# Altium PCB HORNET-1-IPG.PcbDoc (part 3 of 8) (continued)
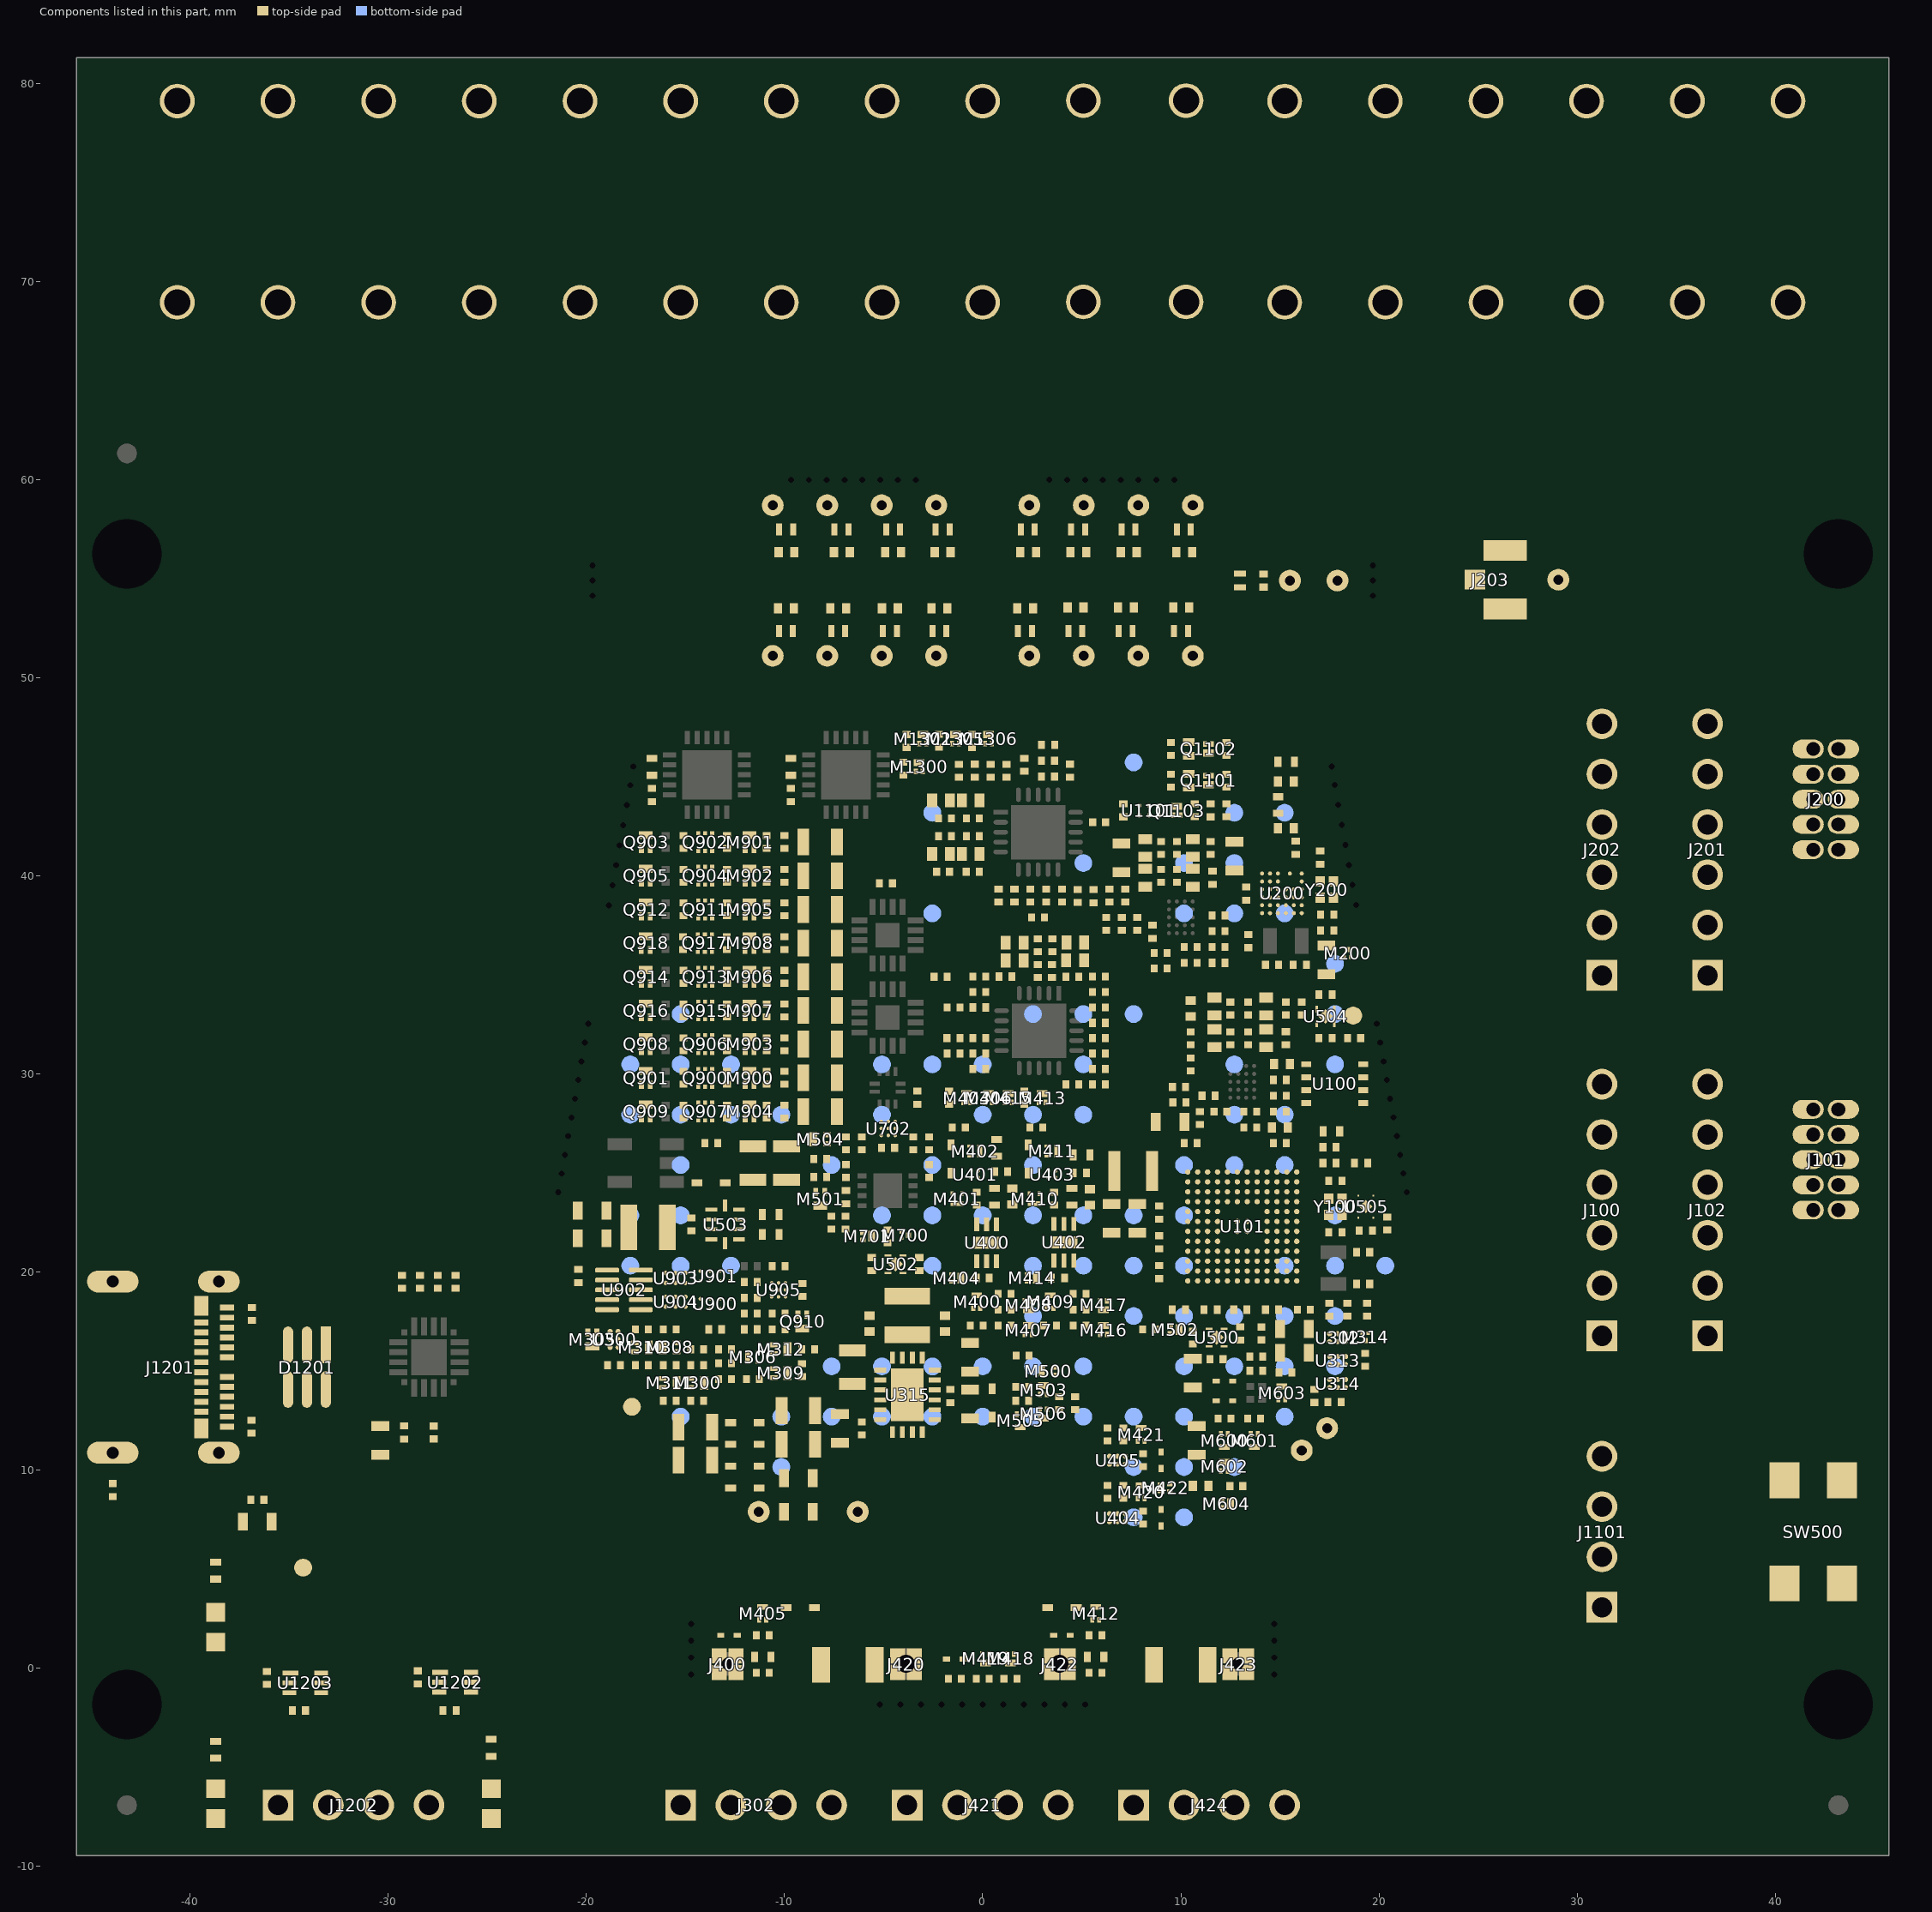
[diagram p9: the components of this part, seen from the top]
## Part data (continued)
C315 C316: "Capacitor, 0.022uF, X7R, 50V, 10%, 0402, Implant-grade", Manufacturer=Murata, Manufacturer Part Number=GCM155R71H223KA55, Medical Grade MFR PN=GCH155R71H223KE01, Package Description=0402, Rating=50V, Category=Capacitor, Length (mm)="1.00 ±0.05", Medical Grade MFR=Murata, PCB Footprint=cap0402_reduced, Review=020823, Status=Approved, Supplier 1="Arrow Electronics", Supplier Part Number 1=GCM155R71H223KA55D, Thickness (mm)="0.50 ±0.05", Width (mm)="0.50 ±0.05"
C417 C422: "Capacitor, 0.1uF, X7R, 16V, 10%, 0402, Implant-grade", Manufacturer=Murata, Medical Grade MFR PN=GCH155R71C104KE01, Package Description=0402, Rating=16V, Supplier Part Number 1=GCM155R71C104KA55J, Category=Capacitor, Length (mm)="1.00 ±0.05", Manufacturer Part Number=GCM155R71C104KA55, Medical Grade MFR=Murata, PCB Footprint=cap0402_reduced, Supplier 1="Arrow Electronics", Thickness (mm)="0.50 ±0.05", Width (mm)="0.50 ±0.05"
C419 C423: "Ceramic Capacitor, Multilayer, Ceramic, 25V, 10% +Tol, 10% -Tol, X7R, 15% TC, 0.00047uF, Surface Mount, 0201", Capacitor Type=Ceramic, Case/Package=0201, Manufacturer=Murata, Max Operating Temperature=125°C, Min Operating Temperature=-55°C, Package Shape=Rectangular, Package Style=SMTMeter, Rated DC Voltage (URdc)=25V, Supplier Part Number=490-17744-1-ND, Temperature Characteristics Code=X7R, Tolerance  (fill in as +-)=10%, Category="Ceramic Capacitors", ComponentLink1Description=https://psearch.en.murata.com:443/capacitor/product/GCM033R71E471KA03%23.pdf?src-supplier=IHS+Markit, ComponentLink1URL=https://psearch.en.murata.com:443/capacitor/product/GCM033R71E471KA03%23.pdf?src-supplier=IHS+Markit, ComponentLink2Description=https://datasheet.ciiva.com/11604/product-11604532.pdf?src-supplier=Avnet, ComponentLink2URL=https://datasheet.ciiva.com/11604/product-11604532.pdf?src-supplier=Avnet, ComponentLink3Description=https://datasheet.ciiva.com/163/s0717e-163390.pdf?src-supplier=Digikey, ComponentLink3URL=https://datasheet.ciiva.com/163/s0717e-163390.pdf?src-supplier=Digikey, Dielectric Material=Ceramic, Height=0.33mm, JESD-609 Code=e3, Length=0.6mm, Manufacturer Part Number=GCM033R71E471KA03D, Mounting Technology="Surface Mount", Multilayer=Yes, Packaging="Tape and Reel", Pins=2, Pricing="1=0,1, 10=0,028, 50=0,016, 100=0,0125, 500=0,00938, 1000=0,00736, 2500=0,0067, 5000=0,00616 (USD)", Reach SVHC Compliant=Yes, Reference Standard=AEC-Q200, RoHS=Yes, RoHS Compliant=Yes, Stock=21174, Supplier=Digikey, Supplier 1="Arrow Electronics", Supplier Part Number 1=GCM033R71E471KA03D, Terminal Finish=Nickel, Termination=Wraparound, Tolerance (fill in as +-)=10%, Width=0.3mm
C601: "Capacitor, 10uf, X5R, 10V, 20%, 0402, Implant-grade", Manufacturer=Murata, Medical Grade MFR=TBD, Package Description=0402, Rating=10V, Category=Capacitor, Length (mm)="1.00 ±0.22", Manufacturer Part Number=ZRB15XR61A106ME01D, Medical Grade MFR PN=TBD, PCB Footprint=cap0402_reduced, Supplier 1="Arrow Electronics", Supplier Part Number 1=ZRB15XR61A106ME01D, Thickness (mm)="0.65 ±0.2", Width (mm)="0.50 ±0.2"
C802 C804: "Capacitor, 0.33uF, X7S, 16V, 10%, 0402", Manufacturer=TDK, Medical Grade MFR=TBD, Package Description=0402, Rating=16V, Category=Capacitor, Length (mm)="1.00 ±0.05", Manufacturer Part Number=CGA2B1X7S1C334K050BC, Medical Grade MFR PN=TBD, PCB Footprint=cap0402_reduced, Review=020823, Status=Approved, Supplier 1="Arrow Electronics", Supplier Part Number 1=CGA2B1X7S1C334K050BC, Thickness (mm)="0.50 ±0.05", Width (mm)="0.50 ±0.05"
C803 C805 C810 C814 C823: "Ceramic Capacitor, Multilayer, Ceramic, 25V, 10% +Tol, 10% -Tol, X7R, 15% TC, 0.001uF, Surface Mount, 0201", Capacitor Type=Ceramic, Case/Package=0201, Manufacturer=Murata, Max Operating Temperature=125°C, Min Operating Temperature=-55°C, Package Shape=Rectangular, Package Style=SMTMeter, Rated DC Voltage (URdc)=25V, Supplier Part Number=490-8161-1-ND, Temperature Characteristics Code=X7R, Tolerance  (fill in as +-)=10%, Category="Ceramic Capacitors", ComponentLink1Description=https://psearch.en.murata.com:443/capacitor/product/GRM033R71E102KA01%23.pdf?src-supplier=IHS+Markit, ComponentLink1URL=https://psearch.en.murata.com:443/capacitor/product/GRM033R71E102KA01%23.pdf?src-supplier=IHS+Markit, ComponentLink2Description=https://datasheet.ciiva.com/5453/product-5453157.pdf?src-supplier=Mouser, ComponentLink2URL=https://datasheet.ciiva.com/5453/product-5453157.pdf?src-supplier=Mouser, ComponentLink3Description=https://datasheet.ciiva.com/11621/product-11621675.pdf?src-supplier=Avnet, ComponentLink3URL=https://datasheet.ciiva.com/11621/product-11621675.pdf?src-supplier=Avnet, Dielectric Material=Ceramic, Height=0.3mm, JESD-609 Code=e3, Length=0.6mm, Manufacturer Part Number=GRM033R71E102KA01J, Mounting Technology="Surface Mount", Multilayer=Yes, Packaging="Tape and Reel", Pins=2, Pricing="1=0,1, 10=0,01, 50=0,0056, 100=0,0044, 500=0,00328, 1000=0,00258, 2500=0,00234, 5000=0,00216 (USD)", Reach SVHC Compliant=Yes, RoHS=Yes, RoHS Compliant=Yes, Stock=136185, Supplier=Digikey, Supplier 1="Arrow Electronics", Supplier Part Number 1=GRM033R71E102KA01J, Terminal Finish=Nickel, Termination=Wraparound, Tolerance (fill in as +-)=10%, Width=0.3mm
C806: "Capacitor, 1500pF, X7R, 50V, 10%, 0402", Manufacturer=Murata, Medical Grade MFR=TBD, Package Description=0402, Rating=50V, Category=Capacitor, Length (mm)="1.00 ±0.05", Manufacturer Part Number=GCM155R71H152KA37D, Medical Grade MFR PN=TBD, PCB Footprint=cap0402_reduced, Review=020823, Status=Approved, Supplier 1="Arrow Electronics", Supplier Part Number 1=GCM155R71H152KA37D, Thickness (mm)="0.50 ±0.05", Width (mm)="0.50 ±0.05"
C809 C827: "Ceramic Capacitor, Multilayer, Ceramic, 6.3V, 20% +Tol, 20% -Tol, X5R, 15% TC, 1.5uF, Surface Mount, 0201", Capacitor Type=Ceramic, Case/Package=0201, Manufacturer=Murata, Max Operating Temperature=85°C, Min Operating Temperature=-55°C, Package Shape=Rectangular, Rated DC Voltage (URdc)=6.3V, Supplier Part Number=490-13223-1-ND, Temperature Characteristics Code=X5R, Tolerance  (fill in as +-)=20%, Category="Ceramic Capacitors", ComponentLink1Description=https://psearch.en.murata.com:443/capacitor/product/GRM033R60J155ME14%23.pdf?src-supplier=IHS+Markit, ComponentLink1URL=https://psearch.en.murata.com:443/capacitor/product/GRM033R60J155ME14%23.pdf?src-supplier=IHS+Markit, ComponentLink2Description=http://search.murata.co.jp/Ceramy/image/img/A01X/G101/ENG/GRM033R60J155ME14-01.pdf?src-supplier=Digikey, ComponentLink2URL=http://search.murata.co.jp/Ceramy/image/img/A01X/G101/ENG/GRM033R60J155ME14-01.pdf?src-supplier=Digikey, ComponentLink3Description=http://search.murata.co.jp/Ceramy/image/img/A01X/partnumbering_e_01.pdf?src-supplier=Digikey, ComponentLink3URL=http://search.murata.co.jp/Ceramy/image/img/A01X/partnumbering_e_01.pdf?src-supplier=Digikey, Dielectric Material=Ceramic, Manufacturer Part Number=GRM033R60J155ME14D, Mounting Technology="Surface Mount", Multilayer=Yes, Packaging="Tape and Reel", Pins=2, Pricing="1=0,2, 10=0,131, 50=0,083, 100=0,0664, 500=0,04794, 1000=0,04241, 2500=0,04056, 5000=0,03687 (USD)", Reach SVHC Compliant=Yes, RoHS=Yes, RoHS Compliant=Yes, Stock=47845, Supplier=Digikey, Supplier 1="Arrow Electronics", Supplier Part Number 1=GRM033R60J155ME14D, Termination=Wraparound, Tolerance (fill in as +-)=20%
C811 C812 C824 C825: "Capacitor, 470nF, X5R, 6.3V, 10%, 0201, Implant Grade", Manufacturer=Murata, Medical Grade MFR=TBD, Package Description=0201, Rating=6.3V, Supplier Part Number 1=81-GRT033R60J474KE1D, Category=Capacitor, Length (mm)=0.6mm, Manufacturer Part Number=GRT033R60J474KE01D, Medical Grade MFR PN=TBD, Supplier 1=Mouser, Supplier 2=Digikey, Supplier 3=Digikey, Supplier 4=Digikey, Supplier Part Number 2=490-GRT033R60J474KE01DCT-ND, Supplier Part Number 3=490-GRT033R60J474KE01DDKR-ND, Supplier Part Number 4=490-GRT033R60J474KE01DTR-ND, Thickness (mm)=0.33mm, Width (mm)=0.3mm
C813 C828: "68 pF ±5% 50V Ceramic Capacitor C0G, NP0 0201 (0603 Metric)", Capacitor Type=Ceramic, Case/Package=0201, Manufacturer="Murata Electronics", Max Operating Temperature=125°C, Min Operating Temperature=-55°C, Package Shape=Rectangular, Package Style=SMTMeter, Rated DC Voltage (URdc)=50V, Supplier Part Number=490-6132-2-ND, Supplier Part Number 1=81-GRM0335C1H680JA1D, Temperature Characteristics Code="C0G, NP0", Tolerance=±5%, Category="Ceramic Capacitors", Dielectric Material=Ceramic, Height=0.33mm, JESD-609 Code=e3, Length=0.6mm, Manufacturer Part Number=GRM0335C1H680JA01D, Mounting Technology="Surface Mount", Multilayer=Yes, Packaging="Tape and Reel", Pins=2, Pricing="1=0,1, 10=0,028, 50=0,016, 100=0,0125, 500=0,00938, 1000=0,00736, 2500=0,0067, 5000=0,00616 (USD)", Reach SVHC Compliant=Yes, Reference Standard=AEC-Q200, RoHS=Yes, RoHS Compliant=Yes, Stock=78539, Supplier=Digikey, Supplier 1=Mouser, Terminal Finish=Nickel, Termination=Wraparound, Width=0.3mm
C817 C818: "Capacitor, 2.2uF, X7R, 16V, 10%, 0603, Implant-grade", Manufacturer=Murata, Medical Grade MFR=TBD, Package Description=0603, Rating=16V, Supplier Part Number 1=490-GRM188Z71C225ME43JCT-ND, Category=Capacitor, Length (mm)="1.60 ±0.10", Manufacturer Part Number=GRM188Z71C225ME43J, Medical Grade MFR PN=TBD, PCB Footprint=cap0603_reduced, Review=020823, Status=Approved, Supplier 1=Digi-Key, Thickness (mm)="0.80 ±0.10", Width (mm)="0.80 ±0.10"
C826 C829: "270 pF ±5% 25V Ceramic Capacitor C0G, NP0 0201 (0603 Metric)", Capacitor Type=Ceramic, Case/Package=0201, Manufacturer="Murata Electronics", Max Operating Temperature=125°C, Min Operating Temperature=-55°C, Package Shape=Rectangular, Package Style=SMTMeter, Rated DC Voltage (URdc)=25V, Supplier Part Number=490-16995-2-ND, Supplier Part Number 1=81-GRM0335C1E271JA1D, Temperature Characteristics Code="C0G, NP0", Tolerance  (fill in as +-)=5%, Tolerance (fill in as +-)=±5%, Category="Ceramic Capacitors", Dielectric Material=Ceramic, Height=0.3mm, JESD-609 Code=e3, Length=0.6mm, Manufacturer Part Number=GRM0335C1E271JA01D, Mounting Technology="Surface Mount", Multilayer=Yes, Packaging="Tape and Reel", Pins=2, Reach SVHC Compliant=Yes, RoHS=Yes, RoHS Compliant=Yes, Supplier=Digikey, Supplier 1=Mouser, Terminal Finish=Nickel, Termination=Wraparound, Width=0.3mm
C900 C902 C904 C906 C907 C909 C910 C911 C912: "Capacitor, 10uF, X5R, 50V, 10%, 0805", Manufacturer=Murata, Medical Grade MFR=N/A, Package Description=0805, Rating=50V, Supplier Part Number 1=490-18664-1-ND, Category=Capacitor, Length (mm)="2.00 ±0.20", Manufacturer Part Number=GRM21BR61H106ME43L, Medical Grade MFR PN=N/A, PCB Footprint=cap0805_reduced, Review=020823, Status=Approved, Supplier 1=Digi-Key, Thickness (mm)="1.25 ±0.20", Width (mm)="1.25 ±0.20"
C1000 C1001 C1002 C1003 C1004 C1005 C1006 C1007 C1008 C1009 C1010 C1011 C1012 C1013 C1014 C1015: "Capacitor, 680pF, C0G, 100V, 5%, 0402", Manufacturer=TDK, Medical Grade MFR=TBD, Package Description=0402, Rating=100V, Category=Capacitor, Length (mm)="1.00 ±0.10", Manufacturer Part Number=C1005C0G2A681J050BE, Medical Grade MFR PN=TBD, PCB Footprint=TBD, Review=020823, Status=Approved, Supplier 1="Arrow Electronics", Supplier Part Number 1=C1005C0G2A681J050BE, Thickness (mm)="0.50 ±0.10", Width (mm)="0.50 ±0.10"
C1016: "Capacitor, 68pF, C0G, 25V, 5%, 0201, Implant-grade", Dielectric=C0G, Manufacturer=Murata, Medical Grade Manufacturer=TBD, Supplier Part Number 1=81-GRT0335C1E680JA2D, Tolerance=5%, Voltage Rating=25V, Category=Capacitor, Height=0.3mm, Length=0.6mm, Manufacturer Part Number=GRT0335C1E680JA02D, Medical Grade Manufacturer Part Number=TBD, Size Code="Size Code", Supplier=TBD, Supplier 1=Mouser, Supplier 2=Digikey, Supplier Part Number=TBD, Supplier Part Number 2=490-GRT0335C1E680JA02DTR-ND, Width=0.3mm
D300 D301 D305 D306 D400 D420 D502 D503 D505 D506: "Schottky, 40V, 500mA, 530mV, SOD-523", Manufacturer="ON Semiconductor", Medical Grade MFR=TBD, Rating="40V, 500mA", Category=Diode, Length (mm)="1.60 ±0.10", Manufacturer Part Number=NSR05T40XV2T5G, Medical Grade MFR PN=TBD, PCB Footprint=TBD, Review=020823, Status=Approved, Supplier 1="Arrow Electronics", Supplier Part Number 1=NSR05T40XV2T5G, Thickness (mm)="0.60 ±0.10", Width (mm)="0.80 ±0.10"
D307: "Zener Diode 10 V 300 mW ±2% Surface Mount DFN1006-2A 0402", Manufacturer=Vishay, Medical Grade MFR=TBD, Supplier Part Number 1=112-BZX884B10L-G3-08CT-ND, Category="Zenner Diode", Manufacturer Part Number=BZX884B10L-G3-08, Medical Grade MFR PN=TBD, Supplier 1=Digikey
D419 D421 D422 D423 D424 D600 D601: "Schottky, 30V, 100mA, 385mV, 200mW, SOD-923", Manufacturer="ON Semiconductor", Medical Grade MFR=TBD, Rating=30V, Supplier Part Number 1=7098145, Category=Diode, Length (mm)="1.00 ±0.05", Manufacturer Part Number=NSR0130P2T5G, Medical Grade MFR PN=TBD, PCB Footprint=TBD, Review=020823, Status=Approved, Supplier 1="Future Electronics", Thickness (mm)="0.40 ±0.03", Width (mm)="0.60 ±0.05"
D800 D801 D802 D803 D804 D805 D806 D807 D808 D809 D810 D811 D812 D813 D814 D815: "Diode", Manufacturer=Nexperia, Mouser Part Number=771-BAS116LS-QYL, Supplier Part Number 1=1727-BAS116LS-QYLCT-ND, Arrow Part Number=BAS116LS-QYL, Arrow Price/Stock=https://www.arrow.com/en/products/bas116ls-qyl/nexperia?region=nac, Datasheet Link=https://assets.nexperia.com/documents/data-sheet/BAS116LS-Q.pdf, Height=0.5mm, Manufacturer Part Number=BAS116LS-QYL, Mouser Price/Stock=https://www.mouser.co.uk/ProductDetail/Nexperia/BAS116LS-QYL?qs=Li%252BoUPsLEnuSHegtSMB1TQ%3D%3D, Supplier 1=Digikey
D1000 D1001 D1002 D1003 D1004 D1005 D1006 D1007 D1008 D1009 D1010 D1011 D1012 D1013 D1014 D1015 D1016: "Diode ESD (Bi-directional)", Manufacturer=Nexperia, Mouser Part Number=771-PESD5V0S1BLD315, Supplier Part Number 1=8158301, Arrow Part Number=PESD5V0S1BLD,315, Arrow Price/Stock=https://www.arrow.com/en/products/pesd5v0s1bld315/nexperia?region=nac, Datasheet Link=https://assets.nexperia.com/documents/data-sheet/PESD5V0S1BLD.pdf, Height=0.4mm, Manufacturer Part Number=PESD5V0S1BLD,315, Mouser Price/Stock=https://www.mouser.co.uk/ProductDetail/Nexperia/PESD5V0S1BLD315?qs=A1cBxND5mHLYeryYrbux2w%3D%3D, Supplier 1="Future Electronics"
D1101 D1102: "ESD TVS DIODE 3.3VWM 6.2VC 0402C", Breakdown Voltage=6V, Capacitance=130pF, Case Code (Imperial)=0402, Case Code (Metric)=1006, Clamping Voltage=10V, Manufacturer="Comchip Technology", Max Junction Temp=+125°C, Max Operating Temperature=125°C, Min Breakdown Voltage=3.6V, Min Operating Temperature=-40°C, Package=0402/SOD-923F, Peak Pulse Current=15A, Peak Pulse Power=180W, Power Line Protection=No, Resistor Type=Zener, Reverse Standoff Voltage=5V, Supplier Part Number 1=641-1893-1-ND, Temperature="-40°C to +125°C", Automotive=No, Case/Package=0402, Category=Diode, ComponentLink1Description="http://www.comchiptech.com/admin/files/product/CPDQC3V3T-HF RevC430538.pdf?src-supplier=Digi-Key", ComponentLink1URL="http://www.comchiptech.com/admin/files/product/CPDQC3V3T-HF RevC430538.pdf?src-supplier=Digi-Key", ComponentLink2Description=Datasheet, ComponentLink2URL=http://www.comchiptech.com/admin/files/product/CPDQR5V0U-HF%20RevF841589.pdf, Device Class L1="Circuit Protection", Device Class L2="TVS Diodes", Device Class L3=unset, Digikey Description="TVS DIODE 5V 12.5V 0402/SOD923F", Direction=Unidirectional, Height=0.55mm, Lead Free=Yes, Manufacturer Part Number=CPDQC3V3T-HF, Mount="Surface Mount", Mouser Description="ESD Suppressors 1CH Unidirectional5V DFN ESD Suppressor", Number of Bidirectional Channels=1, Number of Channels=1, Octopart=https://octopart.com/cpdqr5v0u-comchip-19043170, Packaging="Tape and Reel", Pricing 1="1=0.39610, 10=0.30010, 25=0.29730, 50=0.29450, 100=0.17020, 250=0.16870, 500=0.11170, 1000=0.08010, 3000=0.07360 (USD)", RoHS=TRUE, RoHS Compliant=Yes, Stock 1=3649, Supplier 1=Digi-Key, Temperature Range High=+125°C, Temperature Range Low=-40°C
D1201: "TVS DIODE 5.5VWM 6TSOP", Manufacturer=Nexperia, Supplier Part Number 1=1727-2751-1-ND, Manufacturer Part Number=IP4220CZ6F, RoHS Compliant=Yes, Supplier 1=Digikey
D1202: library part "LED GREEN CLEAR SMD 0603", "LED, GREEN, SMD, 0603, 3.2V, 20mA", Forward Current=20mA, Forward Voltage=3.2V, Manufacturer="Lite-On Inc.", Power Rating=76mW, Supplier Part Number=160-1888-2-ND, Category=LED, Height=0.55mm, Length=1.60mm, Manufacturer Part Number=LTST-C191TGKT, Size Code=0603, Supplier=Digi-Key, Supplier 1=Digikey, Supplier Part Number 1=160-1888-2-ND, Wavelength=525nm, Width=0.80mm
D1203: library part "LED RED CLEAR SMD 0603", "LED, RED, SMD, 0603, 2V, 30mA", Forward Current=30mA, Forward Voltage=2V, Manufacturer="Lite-On Inc.", Power Rating=75mW, Supplier Part Number=160-1447-2-ND, Category=LED, Height=0.55mm, Length=1.60mm, Manufacturer Part Number=LTST-C191KRKT, Size Code=0603, Supplier=Digi-Key, Supplier 1=Digikey, Supplier Part Number 1=160-1447-2-ND, Wavelength=631nm, Width=0.80mm
D1204: library part "LED ORANGE CLEAR SMD 0603", "LED, ORANGE, SMD, 0603, 2V, 30mA", Forward Current=30mA, Forward Voltage=2V, Manufacturer="Lite-On Inc.", Power Rating=75mW, Supplier Part Number=160-1445-2-ND, Category=LED, Height=0.55mm, Length=1.60mm, Manufacturer Part Number=LTST-C191KFKT, Size Code=0603, Supplier=Digi-Key, Supplier 1=Digikey, Supplier Part Number 1=160-1445-2-ND, Wavelength=605nm, Width=0.80mm
F400 F401: "Fuse, 750mA, 63V, 1206", Manufacturer=Littelfuse, Medical Grade MFR PN=0440.750WRA, Rating=750mA, Supplier Part Number 1=F1603CT-ND, Category=Fuse, Length (mm)="3.20 ±0.18", Manufacturer Part Number=0440.750WR, Medical Grade MFR=Littelfuse, PCB Footprint=fuse1206_reduced, Review=020823, Status=Approved, Supplier 1=Digi-Key, Thickness (mm)="0.84 ±0.01", Width (mm)="1.63 ±0.10"
J100 J102 J201 J202: "0.025\" SQ Post Header, Through-hole, Vertical, -55 to 125 degC, 2.54 mm Pitch, 6-Pin, Male, RoHS", Insulation Color=Black, Manufacturer=Samtec, Temperature Range="-55 to 125 degC", Additional Feature=E.L.P., Body Breadth=0.1inch, Body Depth=0.1inch, Body/Shell Style=RECEPTACLE, Category=Connectors, ComponentLink1Description="Manufacturer URL", ComponentLink1URL=http://www.samtec.com, ComponentLink2Description=Datasheet, ComponentLink2URL=http://www.samtec.com/documents/webfiles/pdf/TSW_TH.PDF, ComponentLink3Description="Package Specification", ComponentLink3URL=http://www.samtec.com/documents/webfiles/cpdf/TSW-XXX-XX-XXX-X-XX-XXX-MKT.pdf, ComponentLink4Description=https://datasheet.ciiva.com:443/pdfs/VipMasterIC/IC/SAMI/SAMI-S-A0002522030/SAMI-S-A0002522030-1.pdf?src-supplier=IHS+Markit, ComponentLink4URL=https://datasheet.ciiva.com:443/pdfs/VipMasterIC/IC/SAMI/SAMI-S-A0002522030/SAMI-S-A0002522030-1.pdf?src-supplier=IHS+Markit, ComponentLink5Description=https://datasheet.ciiva.com/6888/tsw-xxx-xx-xxx-x-xx-xxx-mkt-6888455.pdf?src-supplier=Digi-Key, ComponentLink5URL=https://datasheet.ciiva.com/6888/tsw-xxx-xx-xxx-x-xx-xxx-mkt-6888455.pdf?src-supplier=Digi-Key, ComponentLink6Description=https://datasheet.ciiva.com/9486/htsw-th-9486442.pdf?src-supplier=Avnet, ComponentLink6URL=https://datasheet.ciiva.com/9486/htsw-th-9486442.pdf?src-supplier=Avnet, Connector Type="BOARD CONNECTOR", Contact Finish - Mating="GOLD (10) OVER NICKEL (50)", Contact Finish - Termination="Gold (Au) - with Nickel (Ni) barrier", Contact Gender=Male, Contact Material=Bronze, Contact Pattern=RECTANGULAR, Contact Style="SQ PIN-SKT", DatasheetVersion=F-214, DIN Conformance=No, Filter Feature=No, IEC Conformance=No, Insulation Material=Glass, JESD-609 Code=e4, Manufacturer Part Number=TSW-106-07-G-S, Mating Contact Pitch=0.1inch, Mating Information="MULTIPLE MATING PARTS AVAILABLE", MIL Conformance=No, Mixed Contacts=No, Mounting Style=STRAIGHT, Mounting Technology=Through-hole, Number Of Connectors=1, Number of Contacts=6, Number Of PCB Rows=1, Number of Rows Loaded=1, Option="General Purpose", Orientation=Vertical, PackageDescription=".025[0.64] SQ. Post Terminal Strip Assembly", PackageReference=TSW-106-07-X-S, PackageVersion="DM, 8/1988", PartNumber=TSW-106-07-G-S, PCB Contact Pattern=RECTANGULAR, Pitch="2.54 mm", Plating Thickness=10uin, Pricing="1=0,89, 50=0,69, 100=0,56, 500=0,47, 1000=0,35, 2000=0,31, 5000=0,23 (USD)", Reach SVHC Compliant=Yes, Reference Standard=UL, Reliability=COMMERCIAL, RoHS=True, RoHS Compliant=Yes, Stock=414060, Supplier="Arrow Electronics", Supplier 1="Arrow Electronics", Supplier Part Number=TSW-106-07-G-S, Supplier Part Number 1=TSW-106-07-G-S, Terminal Length=0.1inch, Terminal Pitch=2.54mm, Termination=Solder
J101 J200: "Connector, 1.27 mm, 2x5, Male, TH", Manufacturer=Samtec, Supplier Part Number 1=200-FTSH10501FDK, Manufacturer Part Number=FTSH-105-01-F-D-K, Review=020823, Status=Approved, Supplier 1=Mouser
J203: "RF Connector, 1 Contact(s), Male, Board Mount, Surface Mount Terminal, Receptacle", Contact Resistance=20mR, Dielectric Withstanding Voltage (AC)=200V, Insulation Color=Beige, Insulation Resistance=500MR, Manufacturer=Hirose, Max Operating Temperature=90°C, Min Operating Temperature=-40°C, Operating Frequency-Max=6kHz, Supplier Part Number=H11891CT-ND, Body Depth=0.098inch, Body Diameter=0.079inch, Body/Shell Style=RECEPTACLE, Category="RF / Coaxial Connectors", Characteristic Impedance=50R, ComponentLink1Description=https://datasheet.ciiva.com:443/pdfs/VipMasterIC/IC/HIRO/HIROS10696/HIROS08829-1.pdf?src-supplier=IHS+Markit, ComponentLink1URL=https://datasheet.ciiva.com:443/pdfs/VipMasterIC/IC/HIRO/HIROS10696/HIROS08829-1.pdf?src-supplier=IHS+Markit, ComponentLink2Description=https://datasheet.ciiva.com/11762/0900766b8105243f-11762474.pdf?src-supplier=Rs, ComponentLink2URL=https://datasheet.ciiva.com/11762/0900766b8105243f-11762474.pdf?src-supplier=Rs, ComponentLink3Description=https://datasheet.ciiva.com/7651/91524-7651914.pdf?src-supplier=Element14, ComponentLink3URL=https://datasheet.ciiva.com/7651/91524-7651914.pdf?src-supplier=Element14, ComponentLink4Description=https://datasheet.ciiva.com/7651/91524-7651915.pdf?src-supplier=Element14, ComponentLink4URL=https://datasheet.ciiva.com/7651/91524-7651915.pdf?src-supplier=Element14, Connector Type="RF CONNECTOR", Contact Finish - Mating=GOLD, Contact Finish - Termination=GOLD, Contact Gender=Male, Contact Material=Bronze, Contact Style=Coax, Coupling Type=Snap, DIN Conformance=No, Durability=30Cycles, Filter Feature=No, IEC Conformance=No, Insertion Loss=0.05dB, Insulation Material=Polymer, JESD-609 Code=e4, Manufacturer Part Number=U.FL-R-SMT-1(10), Mating Information="MULTIPLE MATING PARTS AVAILABLE", MIL Conformance=No, Mounting Option 1=LOCKING, Mounting Style=STRAIGHT, Mounting Technology=Board, Number of Contacts=1, Number of Ports=1, Option="General Purpose", Panel Mount=No, Pricing="1=1,35, 10=1,138, 25=1,092, 50=1,0686, 100=1,0221, 250=0,9292, 500=0,83628, 1000=0,74336 (USD)", Reach SVHC Compliant=Yes, Reference Standard=UL, Reliability=COMMERCIAL, RoHS=Yes, RoHS Compliant=Yes, Shell Finish=Silver, Shell Material=CuSn, Stock=112692, Supplier=Digi-Key, Termination=SMD/SMT, VSWR=1.5
J300 J301 J303 J304: "Coil TH pad, hole size and ring TBD", Manufacturer=N/A, Category="Coil Solder Pad", Length (mm)=TBD, Manufacturer PN=N/A, Medical Grade MFR=N/A, Medical Grade MFR PN=N/A, Package Description=N/A, PCB Footprint=TBD, Rating=N/A, Thickness (mm)=N/A, Width (mm)=TBD
J302 J421 J424 J1101 J1202: "Board Connector, 4 Contact(s), 1 Row(s), Male, Straight, 0.1 inch Pitch, Solder Terminal, Black Insulator, Receptacle", Flammability Rating="UL94 V-0", Insulation Color=Black, Manufacturer=Samtec, PartNumber=TSW-106-07-G-S, Supplier Part Number 1=SAM1029-04-ND, Temperature Range="-55 to 125 degC", Additional Feature=E.L.P., Body Breadth=0.1inch, Body Depth=0.1inch, Body/Shell Style=RECEPTACLE, Category="Board to Board Connectors", ComponentLink1Description="Manufacturer URL", ComponentLink1URL=http://www.samtec.com, ComponentLink2Description=Datasheet, ComponentLink2URL=http://www.samtec.com/documents/webfiles/pdf/TSW_TH.PDF, ComponentLink3Description="Package Specification", ComponentLink3URL=http://www.samtec.com/documents/webfiles/cpdf/TSW-XXX-XX-XXX-X-XX-XXX-MKT.pdf, ComponentLink4Description=https://datasheet.ciiva.com:443/pdfs/VipMasterIC/IC/SAMI/SAMI-S-A0003531373/SAMI-S-A0003531373-1.pdf?src-supplier=IHS+Markit, ComponentLink4URL=https://datasheet.ciiva.com:443/pdfs/VipMasterIC/IC/SAMI/SAMI-S-A0003531373/SAMI-S-A0003531373-1.pdf?src-supplier=IHS+Markit, ComponentLink5Description=https://datasheet.ciiva.com/6889/tsw-xxx-xx-xxx-x-xx-xxx-mkt-6889291.pdf?src-supplier=Digi-Key, ComponentLink5URL=https://datasheet.ciiva.com/6889/tsw-xxx-xx-xxx-x-xx-xxx-mkt-6889291.pdf?src-supplier=Digi-Key, Connector Type="BOARD CONNECTOR", Contact Finish - Mating="GOLD (10) OVER NICKEL (50)", Contact Finish - Termination="Gold (Au) - with Nickel (Ni) barrier", Contact Gender=Male, Contact Material=Bronze, Contact Pattern=RECTANGULAR, Contact Style="SQ PIN-SKT", DatasheetVersion=F-214, DIN Conformance=No, Filter Feature=No, IEC Conformance=No, Insulation Material=Glass, JESD-609 Code=e4, Manufacturer Part Number=TSW-104-07-G-S, Mating Contact Pitch=0.1inch, Mating Information="MULTIPLE MATING PARTS AVAILABLE", MIL Conformance=No, Mixed Contacts=No, Mounting Style=STRAIGHT, Mounting Technology=Through-hole, Number Of Connectors=1, Number of Contacts=4, Number Of PCB Rows=1, Number of Rows Loaded=1, Option="General Purpose", Orientation=Vertical, PackageDescription=".025[0.64] SQ. Post Terminal Strip Assembly", PackageReference=TSW-106-07-X-S, PackageVersion="DM, 8/1988", PCB Contact Pattern=RECTANGULAR, Pitch="2.54 mm", Plating Thickness=10uin, Pricing="1=0,59, 50=0,46, 100=0,37, 500=0,32, 1000=0,24, 2000=0,21, 5000=0,15 (USD)", Reach SVHC Compliant=Yes, Reference Standard=UL, Reliability=COMMERCIAL, RoHS=True, RoHS Compliant=Yes, Stock=5100, Supplier="Arrow Electronics", Supplier 1=Digikey, Supplier Part Number=TSW-104-07-G-S, Terminal Length=0.1inch, Terminal Pitch=2.54mm, Termination=Solder
J400 J420 J422 J423: "Kovar block, TBD", Manufacturer=TBD, Medical Grade MFR=N/A, Category="Kovar block", Length (mm)=TBD, Manufacturer PN=TBD, Medical Grade MFR PN=N/A, PCB Footprint=TBD, Rating=N/A, Thickness (mm)=TBD, Width (mm)=TBD
J418 J419 J1000 J1001 J1002 J1003 J1004 J1005 J1006 J1007 J1008 J1009 J1010 J1011 J1012 J1013 J1014 J1015 J1016: library part HOLE_20m, "FT pad, Thru-hole, 20 mil hole", Manufacturer=N/A, Package Description="FT pad", Category="FT pad", Length (mm)=TBD, Manufacturer PN=N/A, Medical Grade MFR=N/A, Medical Grade MFR PN=N/A, PCB Footprint=TBD, Rating=N/A, Thickness (mm)=N/A, Width (mm)=TBD
J1017 J1018 J1019 J1020 J1021 J1022 J1023 J1024 J1025 J1026 J1027 J1028 J1029 J1030 J1031 J1032 J1033: "Connector, Bannana Tip, Through Hole, Rodent Study lead connector", Manufacturer="Cinch Connectivity Solutions Johnson", Manufacturer Part Number=105-0753-001, Supplier Part Number 1=530-10507531, Supplier 1=Mouser